# Altium PCB WX0.008.626PCB-4.1(5).PcbDoc (part 1 of 3)
Units mil, origin at the board's own origin, x right, y up, seen from the top; angles counter-clockwise.
Board outline 7874.02 x 2755.91 mil, 4 copper layers (Top Layer, GND, POWER, Bottom Layer), stack 30.634 mil thick; 262 components, 166 nets, 818 pads, 835 vias.
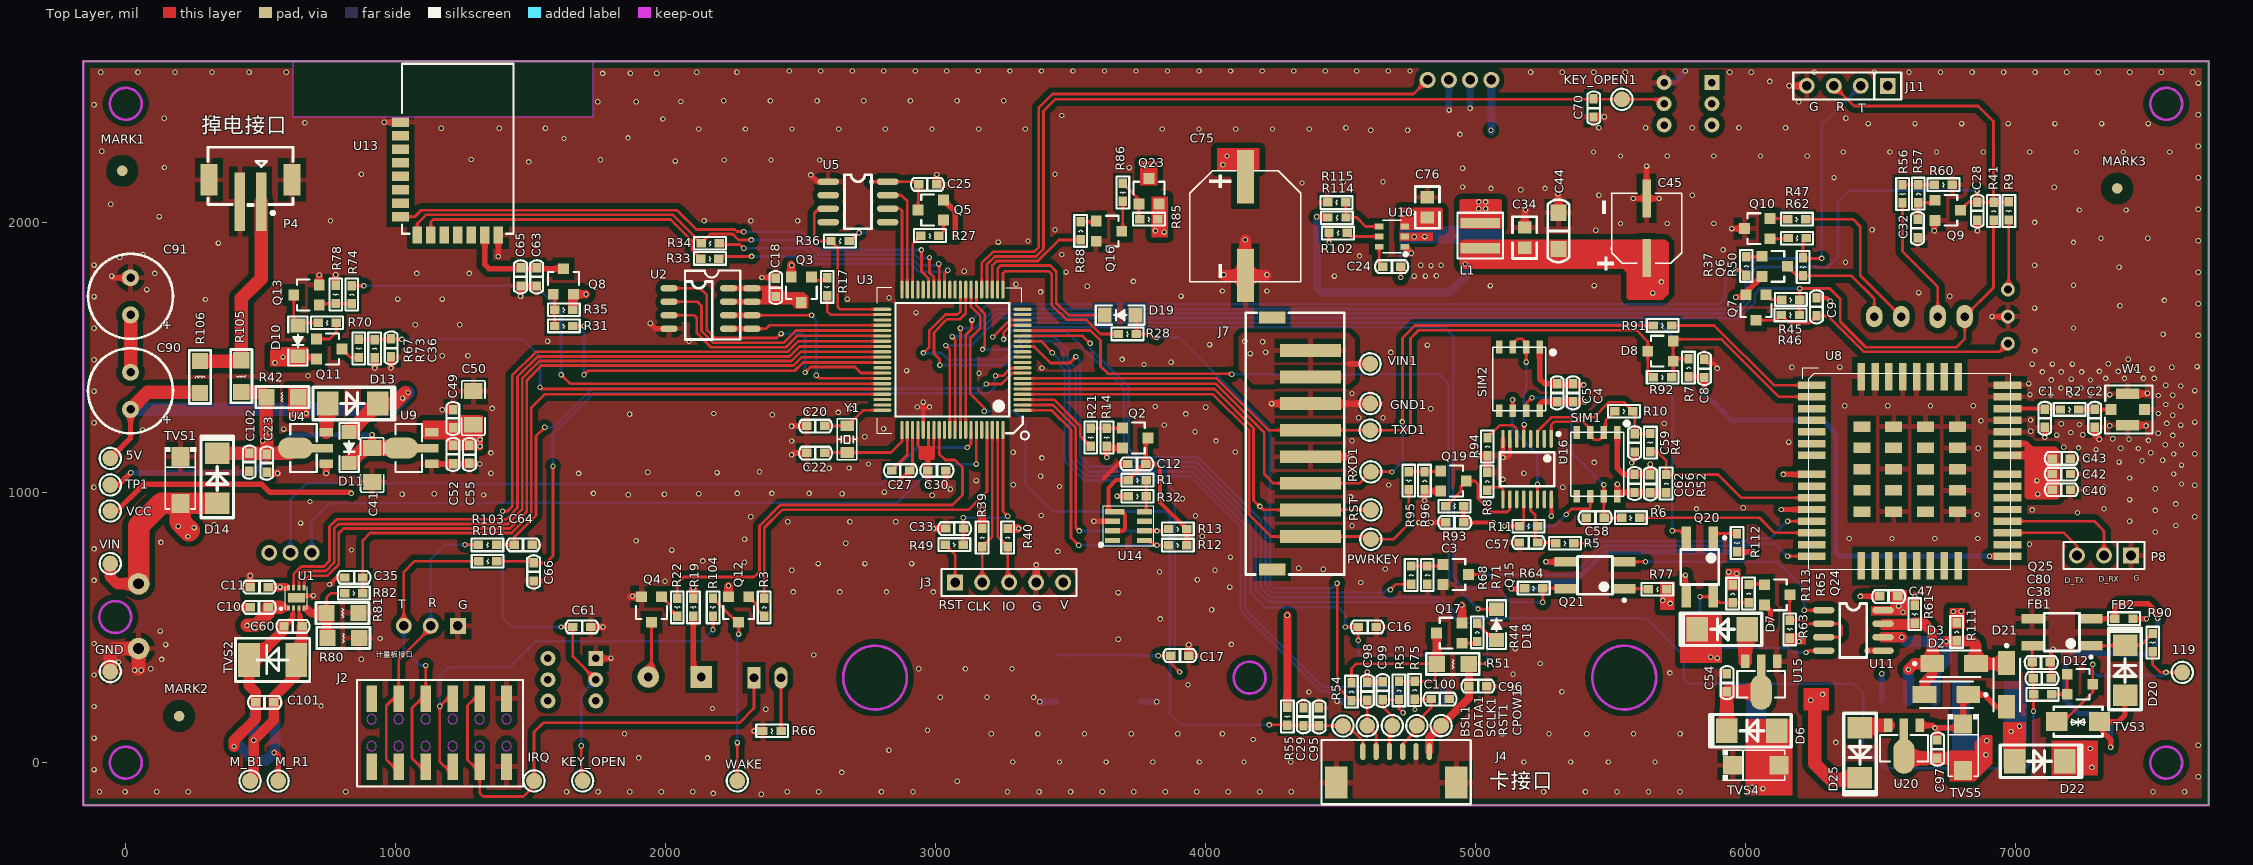
[diagram p0: Top Layer view]
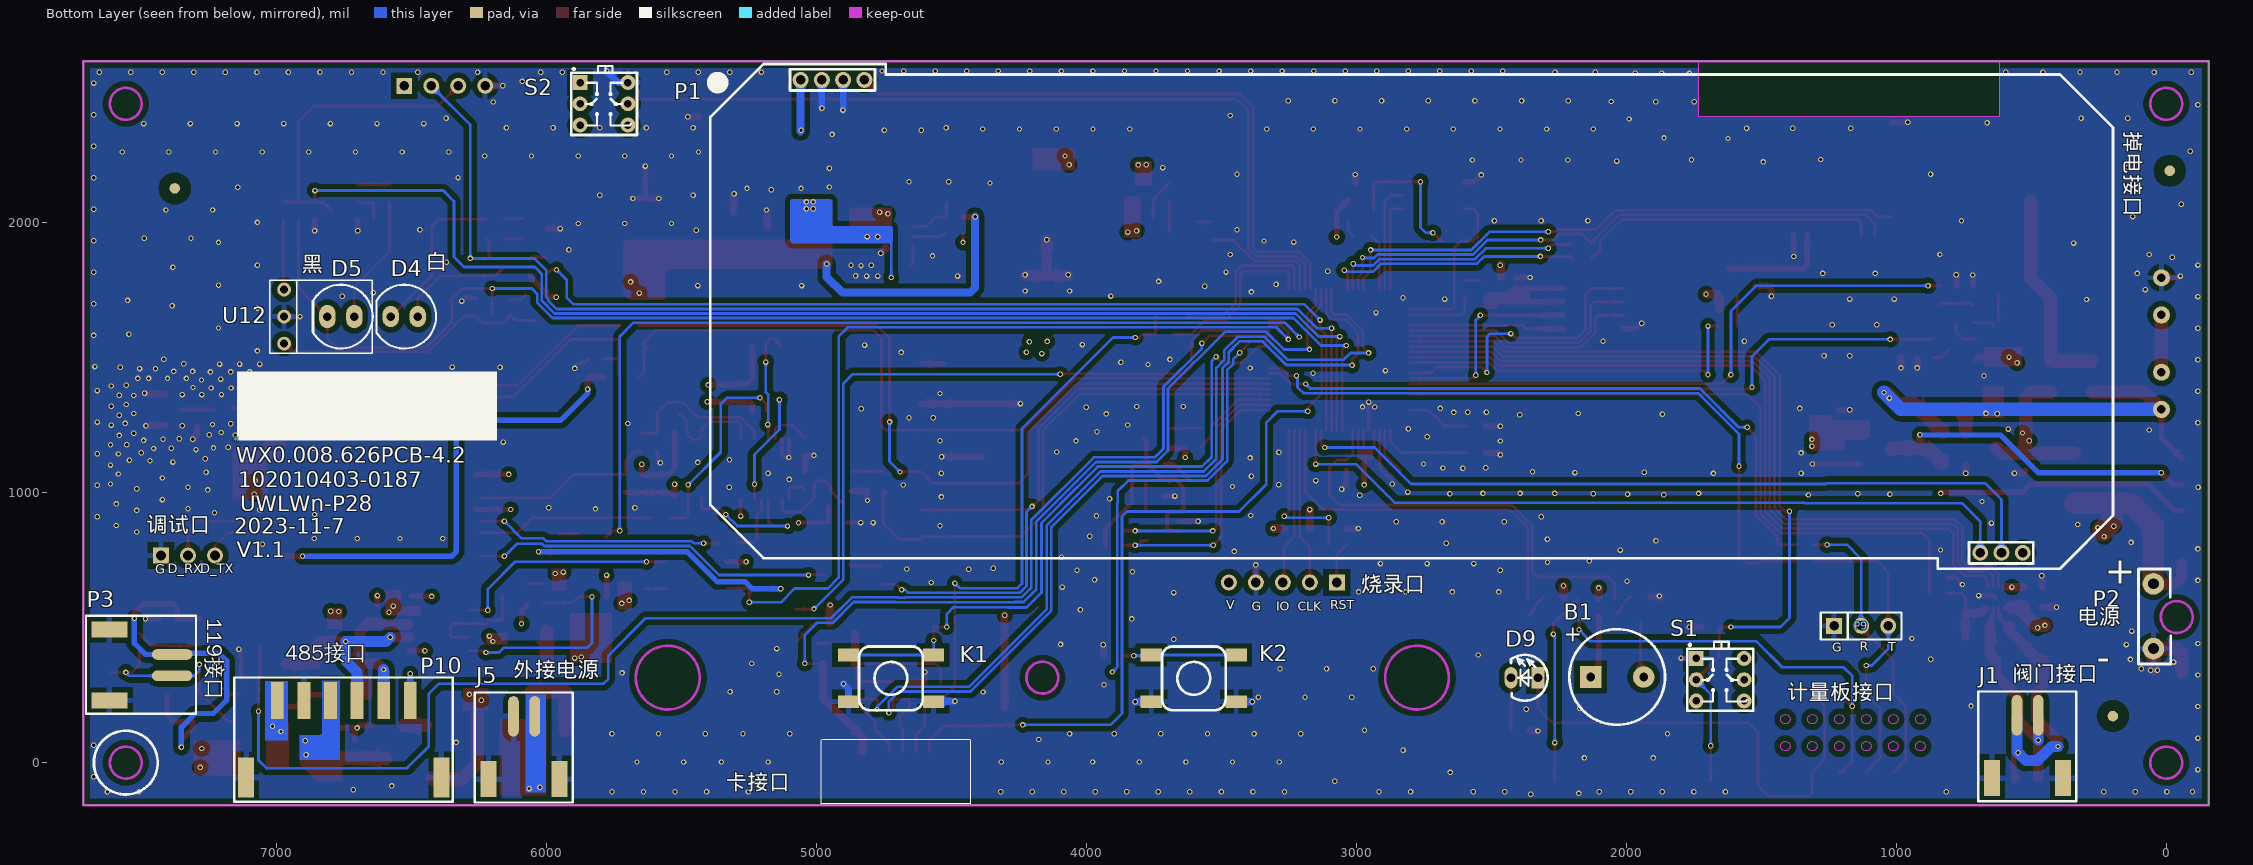
[diagram p1: Bottom Layer view, seen from below]
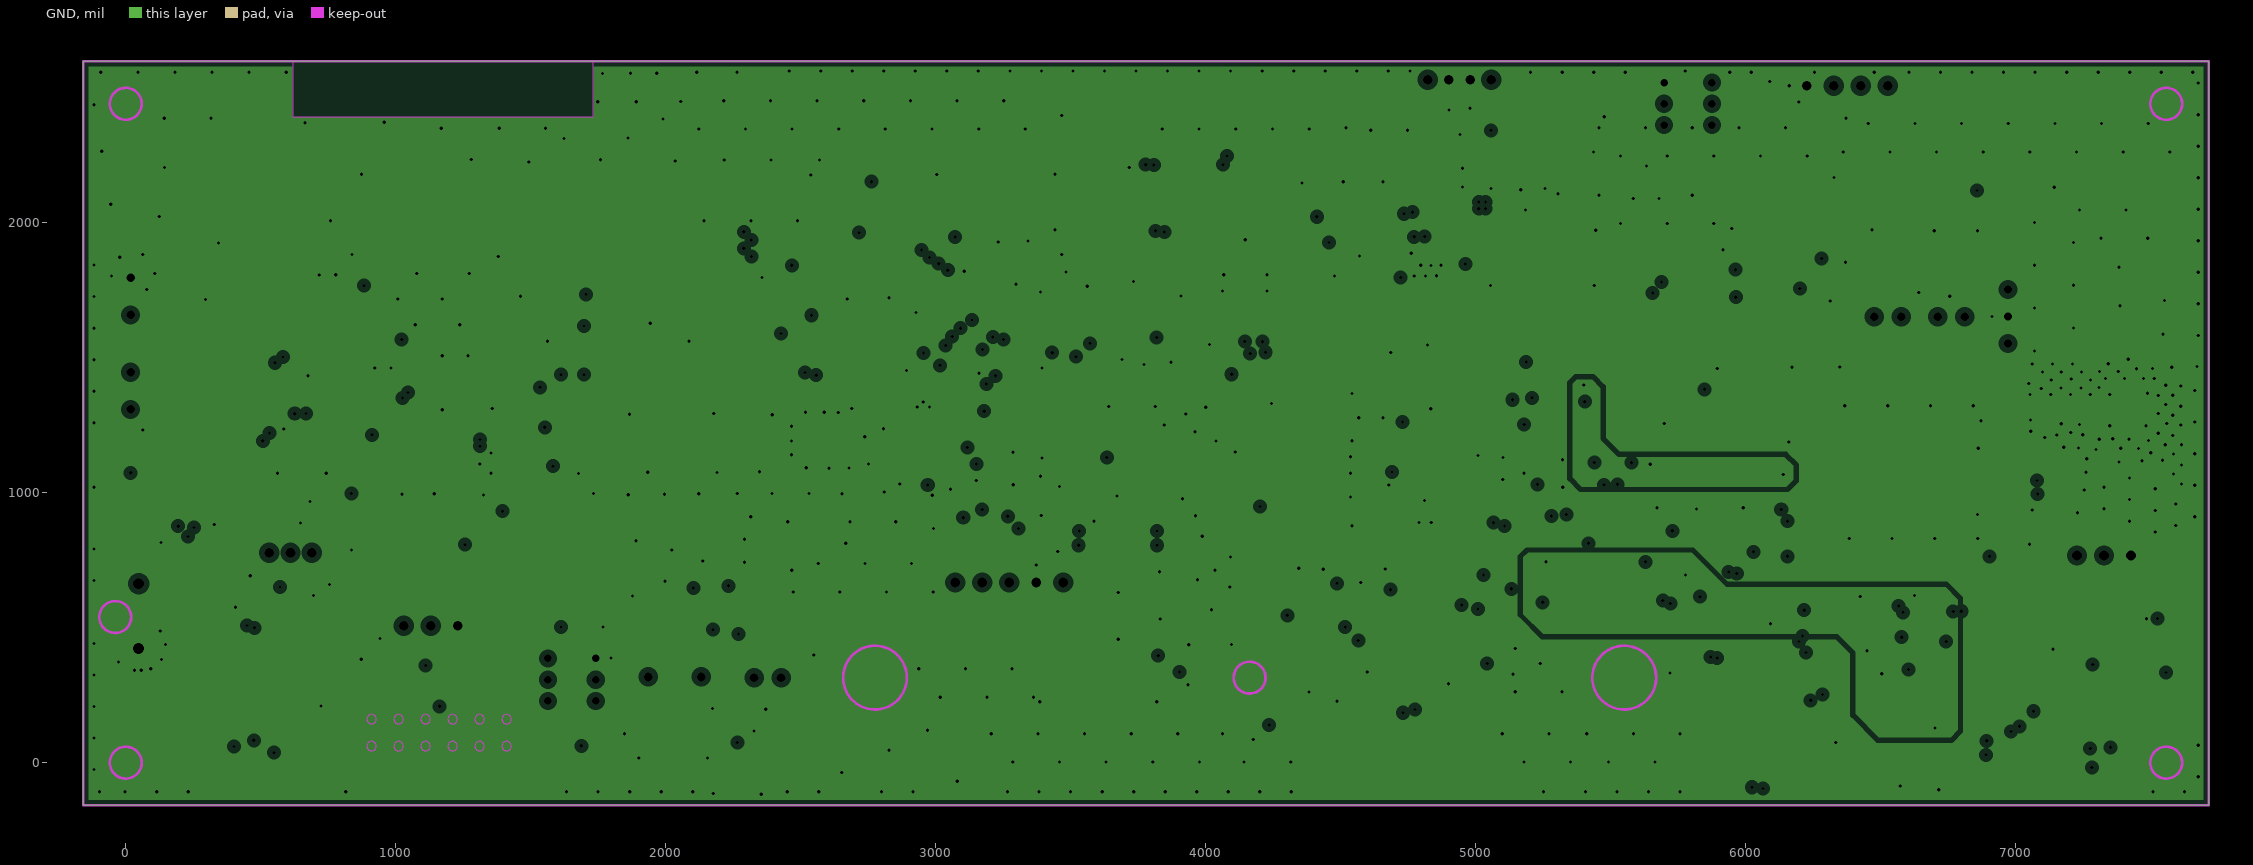
[diagram p2: GND, clearances drawn from the general rule]
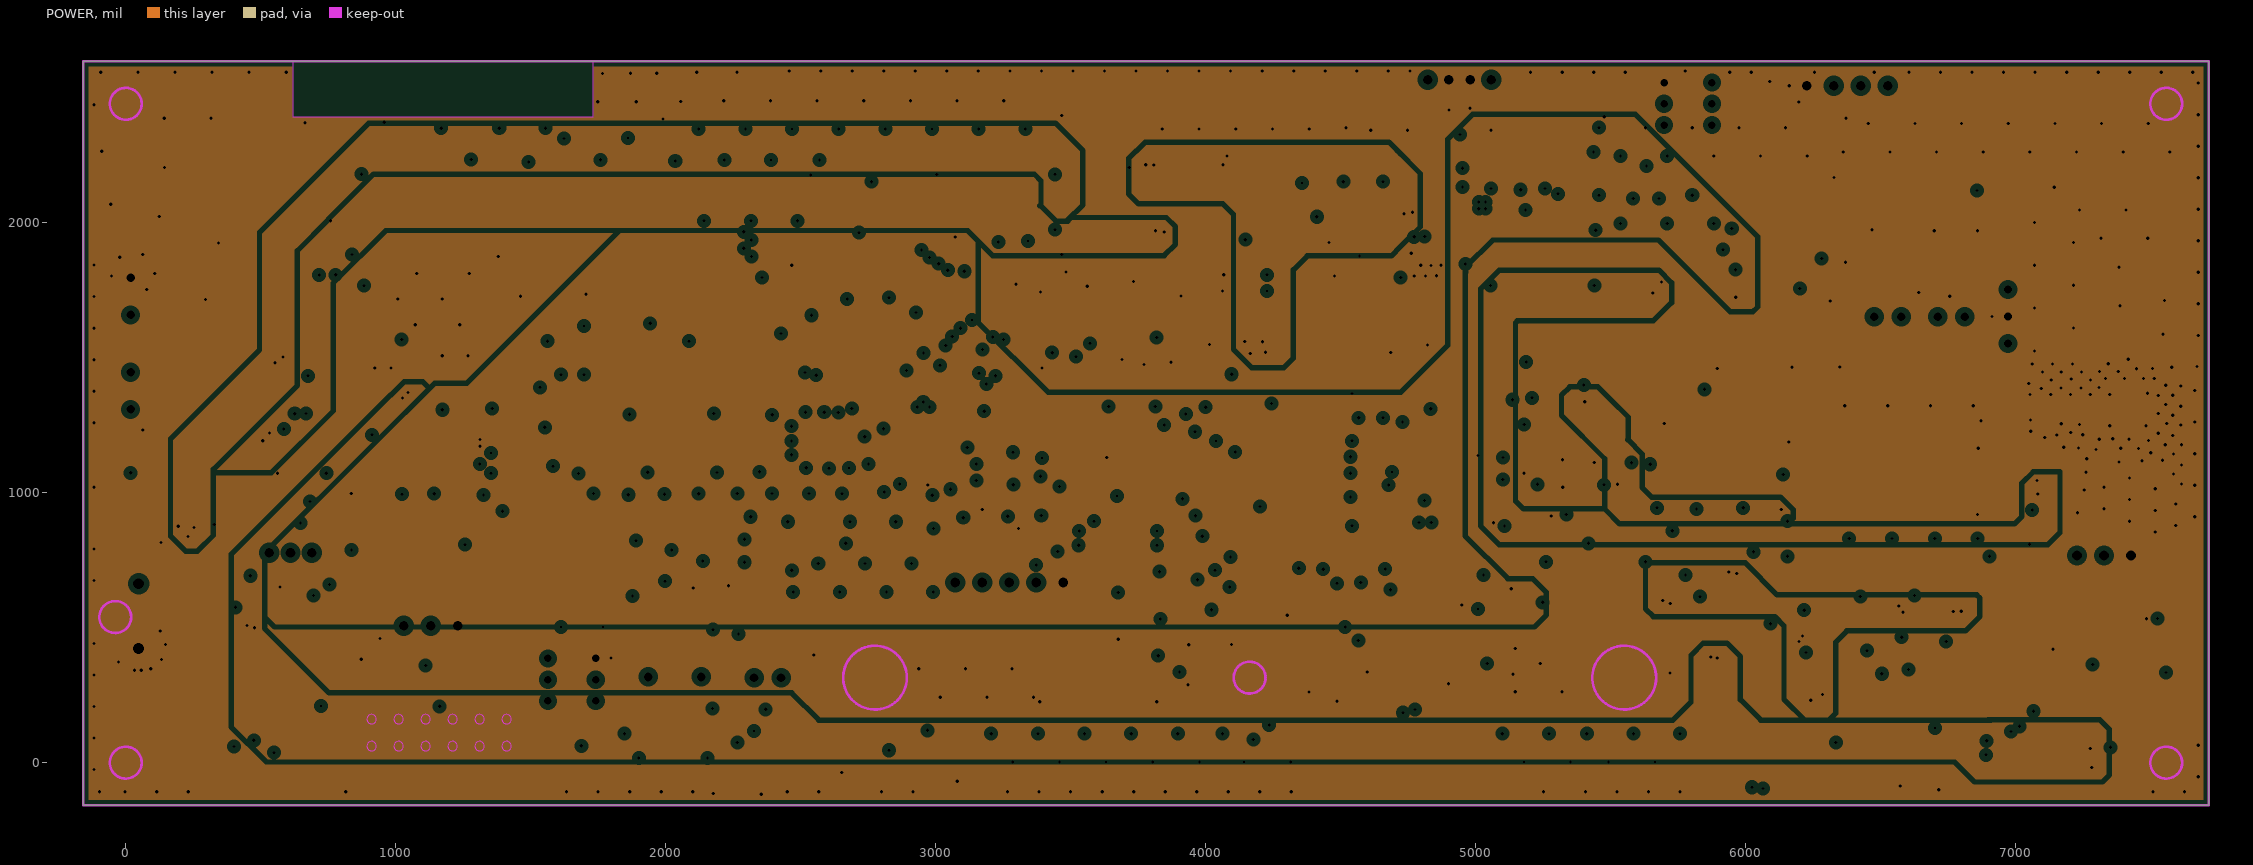
[diagram p3: POWER, clearances drawn from the general rule]

## Layer stack, top to bottom
Top Solder: solder mask 0.4, Solder Resist, Dk 3.5
Top Layer: signal copper 1.4
Dielectric 1: core 10, FR-4, Dk 4.2
GND: plane copper 1.417, net (Multiple Nets)
Dielectric 3: prepreg 5, Dk 4.2
POWER: plane copper 1.417, net (Multiple Nets)
Dielectric 2: core 10, Dk 4.2
Bottom Layer: signal copper 1.4
Bottom Solder: solder mask 0.4, Solder Resist, Dk 3.5

## Board outline
-157.48,-157.48 -157.48,2598.43 7716.54,2598.43 7716.54,-157.48

## Design rules (kind name [scope] priority, off if disabled: settings)
Clearance VIA-VIA [ISVIA vs ISVIA] p1: gap=20 ignorepadtopadclearanceinfootprint=FALSE except(0: Arc-Hole Track-Hole SMDPad-Hole THPad-Hole Via-Hole Fill-Hole Poly-Hole Region-Hole Text-Hole)
Clearance VIA-PAD [ISVIA vs ISPAD] p2: gap=15 ignorepadtopadclearanceinfootprint=FALSE except(0: Arc-Hole Track-Hole SMDPad-Hole THPad-Hole Via-Hole Fill-Hole Poly-Hole Region-Hole Text-Hole)
Clearance VIA-TRACK [ISVIA vs ISTRACK] p3: gap=15 ignorepadtopadclearanceinfootprint=FALSE except(0: Arc-Hole Track-Hole SMDPad-Hole THPad-Hole Via-Hole Fill-Hole Poly-Hole Region-Hole Text-Hole)
Clearance Polygon [InPolygon] p4: gap=20 ignorepadtopadclearanceinfootprint=FALSE except(0: Arc-Hole Track-Hole SMDPad-Hole THPad-Hole Via-Hole Fill-Hole Poly-Hole Region-Hole Text-Hole)
Clearance [All] p5: gap=7 ignorepadtopadclearanceinfootprint=FALSE except(0: Arc-Hole Track-Hole SMDPad-Hole THPad-Hole Via-Hole Fill-Hole Poly-Hole Region-Hole Text-Hole)
ComponentClearance [All] p1 off: gap=10 collisioncheckmode=3 verticalgap=10 showdistances=FALSE
FabricationTestPointUsage TestPointUsage [All] p1: valid=0 allowmultiple=FALSE
FabricationTestpoint Testpoint [(IsPad And (OnTopLayer Or OnBottomLayer))] p1: side=3 testpointundercomponent=TRUE minsize=40 maxsize=100 preferedsize=60 minholesize=0 maxholesize=40 preferedholesize=32 testpointgrid=1 allowsidetop=TRUE allowsidebottom=TRUE usegrid=TRUE gridtolerance=0.01
HoleSize [All] p1 off: absolutevalues=TRUE maxlimit=300 minlimit=0 maxpercent=80.000 minpercent=20.000
HoleToHoleClearance [All] p1 off: gap=10 allowstackedmicrovias=TRUE
LayerPairs [All] p1 off: enforce=TRUE
MinimumSolderMaskSliver [All] p1 off: minsoldermaskwidth=10
NetAntennae [All] p1 off: netantennaetolerance=0
PlaneClearance [All] p1: clearance=20
PlaneConnect [All] p1: planeconnectstyle=Relief reliefexpansion=20 reliefentries=4 reliefconductorwidth=20 reliefairgap=10
PolygonConnect [isvia] p1: connectstyle=Direct reliefconductorwidth=15 reliefentries=4 polygonreliefangle="90 Angle" airgapwidth=10
PolygonConnect PolygonConnect_1 [All] p2: connectstyle=Relief reliefconductorwidth=20 reliefentries=4 polygonreliefangle="90 Angle" airgapwidth=20
RoutingVias [All] p1: holewidth=10 width=20 viastyle="Through Hole" minholewidth=5 minwidth=5 maxholewidth=50 maxwidth=100
SilkToBoardRegionClearance [All] p1 off:
SilkToSilkClearance [All] p1 off: silktosilkclearance=10
SilkToSolderMaskClearance [IsPad] p1 off: minsilkscreentomaskgap=10 clearancetoexposedcopper=TRUE
SolderMaskExpansion [All] p1: expansion=4
Width [All] p1: maxlimit=300 minlimit=8 preferedwidth=8
17 further rules are at their usual default settings.

## Classes and differential pairs
component class WX0.008.511DL: BSL1 C1 C2 C3 C4 C5 C8 C12 C24 C29 C34 C40 C42 C43 C44 C45 C47 C56 C57 C58 C59 C62 C63 C65 C75 C76 C95 C96 C97 C98 C99 C100 CPOW1 D2 D3 D8 D18 D21 D22 D25 DATA1 J4 L1 P8 P10 Q2 Q8 Q15 Q16 Q17 Q19 Q20 Q21 Q23 Q24 R1 R2 R4 R5 R6 R7 R8 R10 R11 R12 R13 R14 R21 R31 R32 R35 R44 R51 R52 R53 R54 R55 R61 R63 R64 R65 R68 R71 R75 R77 R85 R86 R88 R91 R92 R93 R94 R95 R96 R102 R111 R112 R113 R114 R115 RST1 SCLK1 SIM1 SIM2 TVS5 U8 U10 U11 U13 U14 U16 U20 W1
component class WX0.008.512DL: 5V 119 * B1 C9 C10 C11 C16 C17 C18 C20 C22 C23 C25 C27 C28 C30 C32 C33 C35 C36 C38 C41 C49 C50 C52 C54 C55 C60 C61 C64 C66 C70 C80 C90 C91 C101 C102 D4 D5 D6 D7 D9 D10 D11 D12 D13 D14 D19 D20 FB1 FB2 GND GND1 IRQ J1 J2 J3 J5 J7 J11 K1 K2 KEY_OPEN KEY_OPEN1 M_B1 M_R1 MARK1 MARK2 MARK3 P1 P2 P3 P4 P9 PWRKEY Q3 Q4 Q5 Q6 Q7 Q9 Q10 Q11 Q12 Q13 Q25 R3 R9 R17 R19 R22 R27 R28 R33 R34 R36 R37 R39 R40 R41 R42 R45 R46 R47 R49 R50 R56 R57 R60 R62 R66 R67 R70 R73 R74 R78 R80 R81 R82 R90 R101 R103 R104 R105 R106 RST RXD1 S1 S2 TP1 TVS1 TVS2 TVS3 TVS4 TXD1 U1 U2 U3 U4 U5 U9 U12 U15 VCC VIN VIN1 WAKE Y1

## Components (designator, comment, footprint, x,y, rotation, side; value= is the part's Value field where it differs from the comment)
5V "TEST-PAD" TEST-PAD -57.48,1127.52 r0 top
119 "TEST-PAD" TEST-PAD 7618.52,334.52 r0 top
* "Bar Code1" "Bar Code1" 7147.52,1193.52 r180 bottom
B1 "HYT-0903" HYT-0903 2132.52,317.52 r180 bottom locked
BSL1 "TEST-PAD" TEST-PAD 4509,136 r90 top
C1 "NC" CAP0603 7109.52,1308.52 r270 top
C2 "NC" CAP0603 7294.52,1308.52 r270 top
C3 "1uF/16V" CAP0603 4890.52,890.52 r0 top
C4 "100nF/50V" CAP0603 5361.52,1337.52 r90 top
C5 "33pF/50V" CAP0603 5302.52,1337.52 r90 top
C8 "1uF/16V" CAP0603 5847.52,1427.52 r90 top
C9 "100nF/50V" CAP0603 6263.52,1721.52 r270 top
C10 "100nF/50V" CAP0603 461.52,575.52 r0 top
C11 "100nF/50V" CAP0603 527.01,650.24 r180 top
C12 "100nF/50V" CAP0603 3778.13,1106.52 r180 top
C16 "100nF/50V" CAP0603 4632.52,502.52 r180 top
C17 "100nF/50V" CAP0603 3937.52,396.52 r180 top
C18 "100nF/50V" CAP0603 2407.52,1727.52 r90 top
C20 "12pF/50V" CAP0603 2522.52,1247.52 r0 top
C22 "12pF/50V" CAP0603 2522.52,1147.52 r0 top
C23 "1uF/16V" CAP0603 522.52,1142.52 r270 top
C24 "100nF/50V" CAP0603 4722.52,1837.52 r180 top
C25 "100nF/50V" CAP0603 2937.52,2142.52 r0 top
C27 "100nF/50V" CAP0603 2837.52,1082.52 r0 top
C28 "100pF/50V" CAP0603 6859.52,2076.52 r270 top
C29 "100nF/50V" CAP0603 4363,203 r270 top
C30 "100nF/50V" CAP0603 3037.52,1082.52 r180 top
C32 "10pF/50V" CAP0603 6638,2012 r270 top
C33 "33pF/50V" CAP0603 3037.52,867.52 r0 top
C34 "22uF/10V" CAP0805 5182.52,1907.52 r0 top
C35 "1nF/50V" CAP0603 878,686 r180 top
C36 "1nF/50V" CAP0603 982.52,1503.75 r90 top
C38 "100nF/50V" CAP0603 7066.52,312.52 r0 top
C40 "10pF/50V" CAP0603 7138.01,1011.52 r0 top
C41 "100uF/10V" GRM31CR60J107ME39L 912.52,1165.61 r270 top
C42 "33pF/50V" CAP0603 7138.01,1069.52 r0 top
C43 "100nF/50V" CAP0603 7203.52,1126.52 r180 top
C44 "10uF/16V" CAP1206 5307.52,1902.52 r90 top
C45 "220uF/16V" 220uf/16V 5634,1980 r270 top
C47 "100N/50V" CAP0603 6498,616 r0 top
C49 "22pF/50V" CAP0603 1212.52,1307.52 r270 top
C50 "100uF/10V" GRM31CR60J107ME39L 1287.52,1251.52 r90 top
C52 "1uF/10V" CAP0603 1212.52,1174.67 r270 top
C54 "1uF/16V" CAP0603 5931.52,263.52 r90 top
C55 "100nF/50V" CAP0603 1272.52,1109.16 r90 top
C56 "100nF/50V" CAP0603 5647.52,1000.52 r90 top
C57 "33pF/50V" CAP0603 5229.52,815.52 r180 top
C58 "33pF/50V" CAP0603 5476.52,907.52 r180 top
C59 "33pF/50V" CAP0603 5590.38,1217.52 r270 top
C60 "100nF/50V" CAP0603 586.52,505.52 r0 top
C61 "100nF/50V" CAP0603 1722.52,502.52 r180 top
C62 "33pF/50V" CAP0603 5589.38,1001.34 r90 top
C63 "10uF/10V" CAP0603 1522.52,1832.52 r270 top
C64 "33pF/50V" CAP0603 1439.52,807.52 r0 top
C65 "1uF/16V" CAP0603 1462.52,1832.52 r270 top
C66 "33pF/50V" CAP0603 1511.52,739.52 r270 top
C70 "100nF/50V" CAP0603 5437.52,2392.52 r90 top
C75 "1000uF/16V" CAP-SMD_BD10.0-L10.3-W10.3-FD 4147.52,1987.52 r270 top
C76 "22uF/10V" CAP0805 4822,2020 r0 top
C80 "10nF/50V" CAP0603 7063.52,371.52 r0 top
C90 "1F/2.75V" CAPPC_350_800_1600 17.52,1377.52 r90 top
C91 "1F/2.75V" CAPPC_350_800_1600 17.52,1727.52 r90 top
C95 "33pF/50V" CAP0603 4420,137 r90 top
C96 "33pF/50V" CAP0603 5042,283 r180 top
C97 "10uF/10V" CAP0603 6711.52,17.52 r90 top
C98 "33pF/50V" CAP0603 4599,232 r90 top
C99 "33pF/50V" CAP0603 4656,234 r90 top
C100 "33pF/50V" CAP0603 4836,236 r0 top
C101 "33pF" CAP0603 482,224 r0 top
C102 "33pf" CAP0603 458,1146 r270 top
CPOW1 "TEST-PAD" TEST-PAD 4873,137 r90 top
D2 "SMBJ6.0CA" 5025D 6743,250 r0 top
D3 "SMBJ6.0CA" 5025D 6775,369 r180 top
D4 "AT205B" LEDRED 6527.52,1652.52 r180 bottom
D5 "AT405" IR_254_1000_500 6762.52,1652.52 r180 bottom
D6 "SS22" DO-214AC 6023.52,118.52 r180 top
D7 "SS22" DO-214AC 5914,494 r180 top
D8 "BAT54CLT1" SOT-23 5685.28,1524.52 r90 top
D9 "LED_T3R" LED2_300 2327.52,314.52 r270 bottom
D10 "LL4148" SOD-123FL 637.52,1622.52 r270 top
D11 "DS12W" SOD-123FL 827.52,1227.52 r270 top
D12 "BAT54CLT1" SOT-23 7239.52,290.52 r270 top
D13 "SS22" DO-214AC 840.52,1330.52 r0 top
D14 "SS22" DO-214AC 339,1054 r90 top
D18 "LL4148" SOD-123FL 5078,451 r90 top
D19 "DSK14" SOD-123FL 3744,1658 r180 top
D20 "M7A" DO-214AC 7406.52,342.52 r90 top
D21 "SMBJ6.0CA" 5025D 6970,286 r90 top
D22 "SS22" DO-214AC 7090.52,5.52 r0 top
D25 "SS22" DO-214AC 6424.52,36.52 r270 top
DATA1 "TEST-PAD" TEST-PAD 4599,137 r90 top
FB1 "FB03SN3000_30R" IND0603 7067.52,253.52 r0 top
FB2 "FB03SN3000_30R" IND0603 7436,533 r180 top
GND "TEST-PAD" TEST-PAD -57.48,337.52 r0 top
GND1 "TEST-PAD" TEST-PAD 4609.88,1330.16 r90 top
IRQ "TEST-PAD" TEST-PAD 1512.52,-67.48 r0 top
J1 "PH2.0_2AWR" SMT2-2.0 513.52,59.52 r180 bottom
J2 "计量板接口" "计量板插座 2X6Pin" 1161.02,111.42 r270 top locked
J3 "Header 5" HDR1X5 3072.52,667.52 r0 top
J4 "1.25-6AWR" SMT-1.25-6 4706,41 r0 top
J5 "PH200_1*2R" SMT2-2.0 6083.52,55.52 r180 bottom locked
J7 "PIN254_1*8" "PCBComponent_1 - duplicate3" 4318.19,1182.52 r270 top locked
J11 "PIN254_1*4*WXHJ" PIN254_1*4*1100S 6527.52,2507.52 r180 top
K1 "SWS_4_600_600_430" SWS_4_600_600 4724.52,312.52 r180 bottom locked
K2 "SWS_4_600_600_430" SWS_4_600_600 3602.52,312.52 r180 bottom
KEY_OPEN "TEST-PAD" TEST-PAD 1692.52,-67.48 r90 top
KEY_OPEN1 "TEST-PAD" TEST-PAD 5542.52,2457.52 r90 top
L1 "4.7uH, 2.9A" WE-MAPI_4020 5017.52,1952.52 r270 top
M_B1 "TEST-PAD" TEST-PAD 460.52,-67.48 r90 top
M_R1 "TEST-PAD" TEST-PAD 564.52,-67.48 r90 top
MARK1 "MARK" MARK -13,2193 r90 top
MARK2 "MARK" MARK 197.52,172.52 r90 top
MARK3 "MARK" MARK 7377.52,2127.52 r90 top
P1 "LCD_UJ-B1" LCD_JR-H25433AFP 2795.28,1653.54 r180 bottom locked
P2 "碱电6V" "Header 2" 47.52,422.52 r180 bottom
P3 "PH2.0-2P" SMT2-2.0 7503.52,361.52 r270 bottom locked
P4 "两节锂电池7.2V" CONN-SMD_2.0-2PLT 462,2119 r180 top
P8 "Component_2" "PCBComponent_1 - duplicate" 7428.52,767.52 r180 top
P9 "Component_2" "PCBComponent_1 - duplicate" 1230,507 r180 bottom
P10 "" 6Pin插座 6997.52,230.52 r180 bottom locked